# KiCad board m-blanc.kicad_pcb (continued)
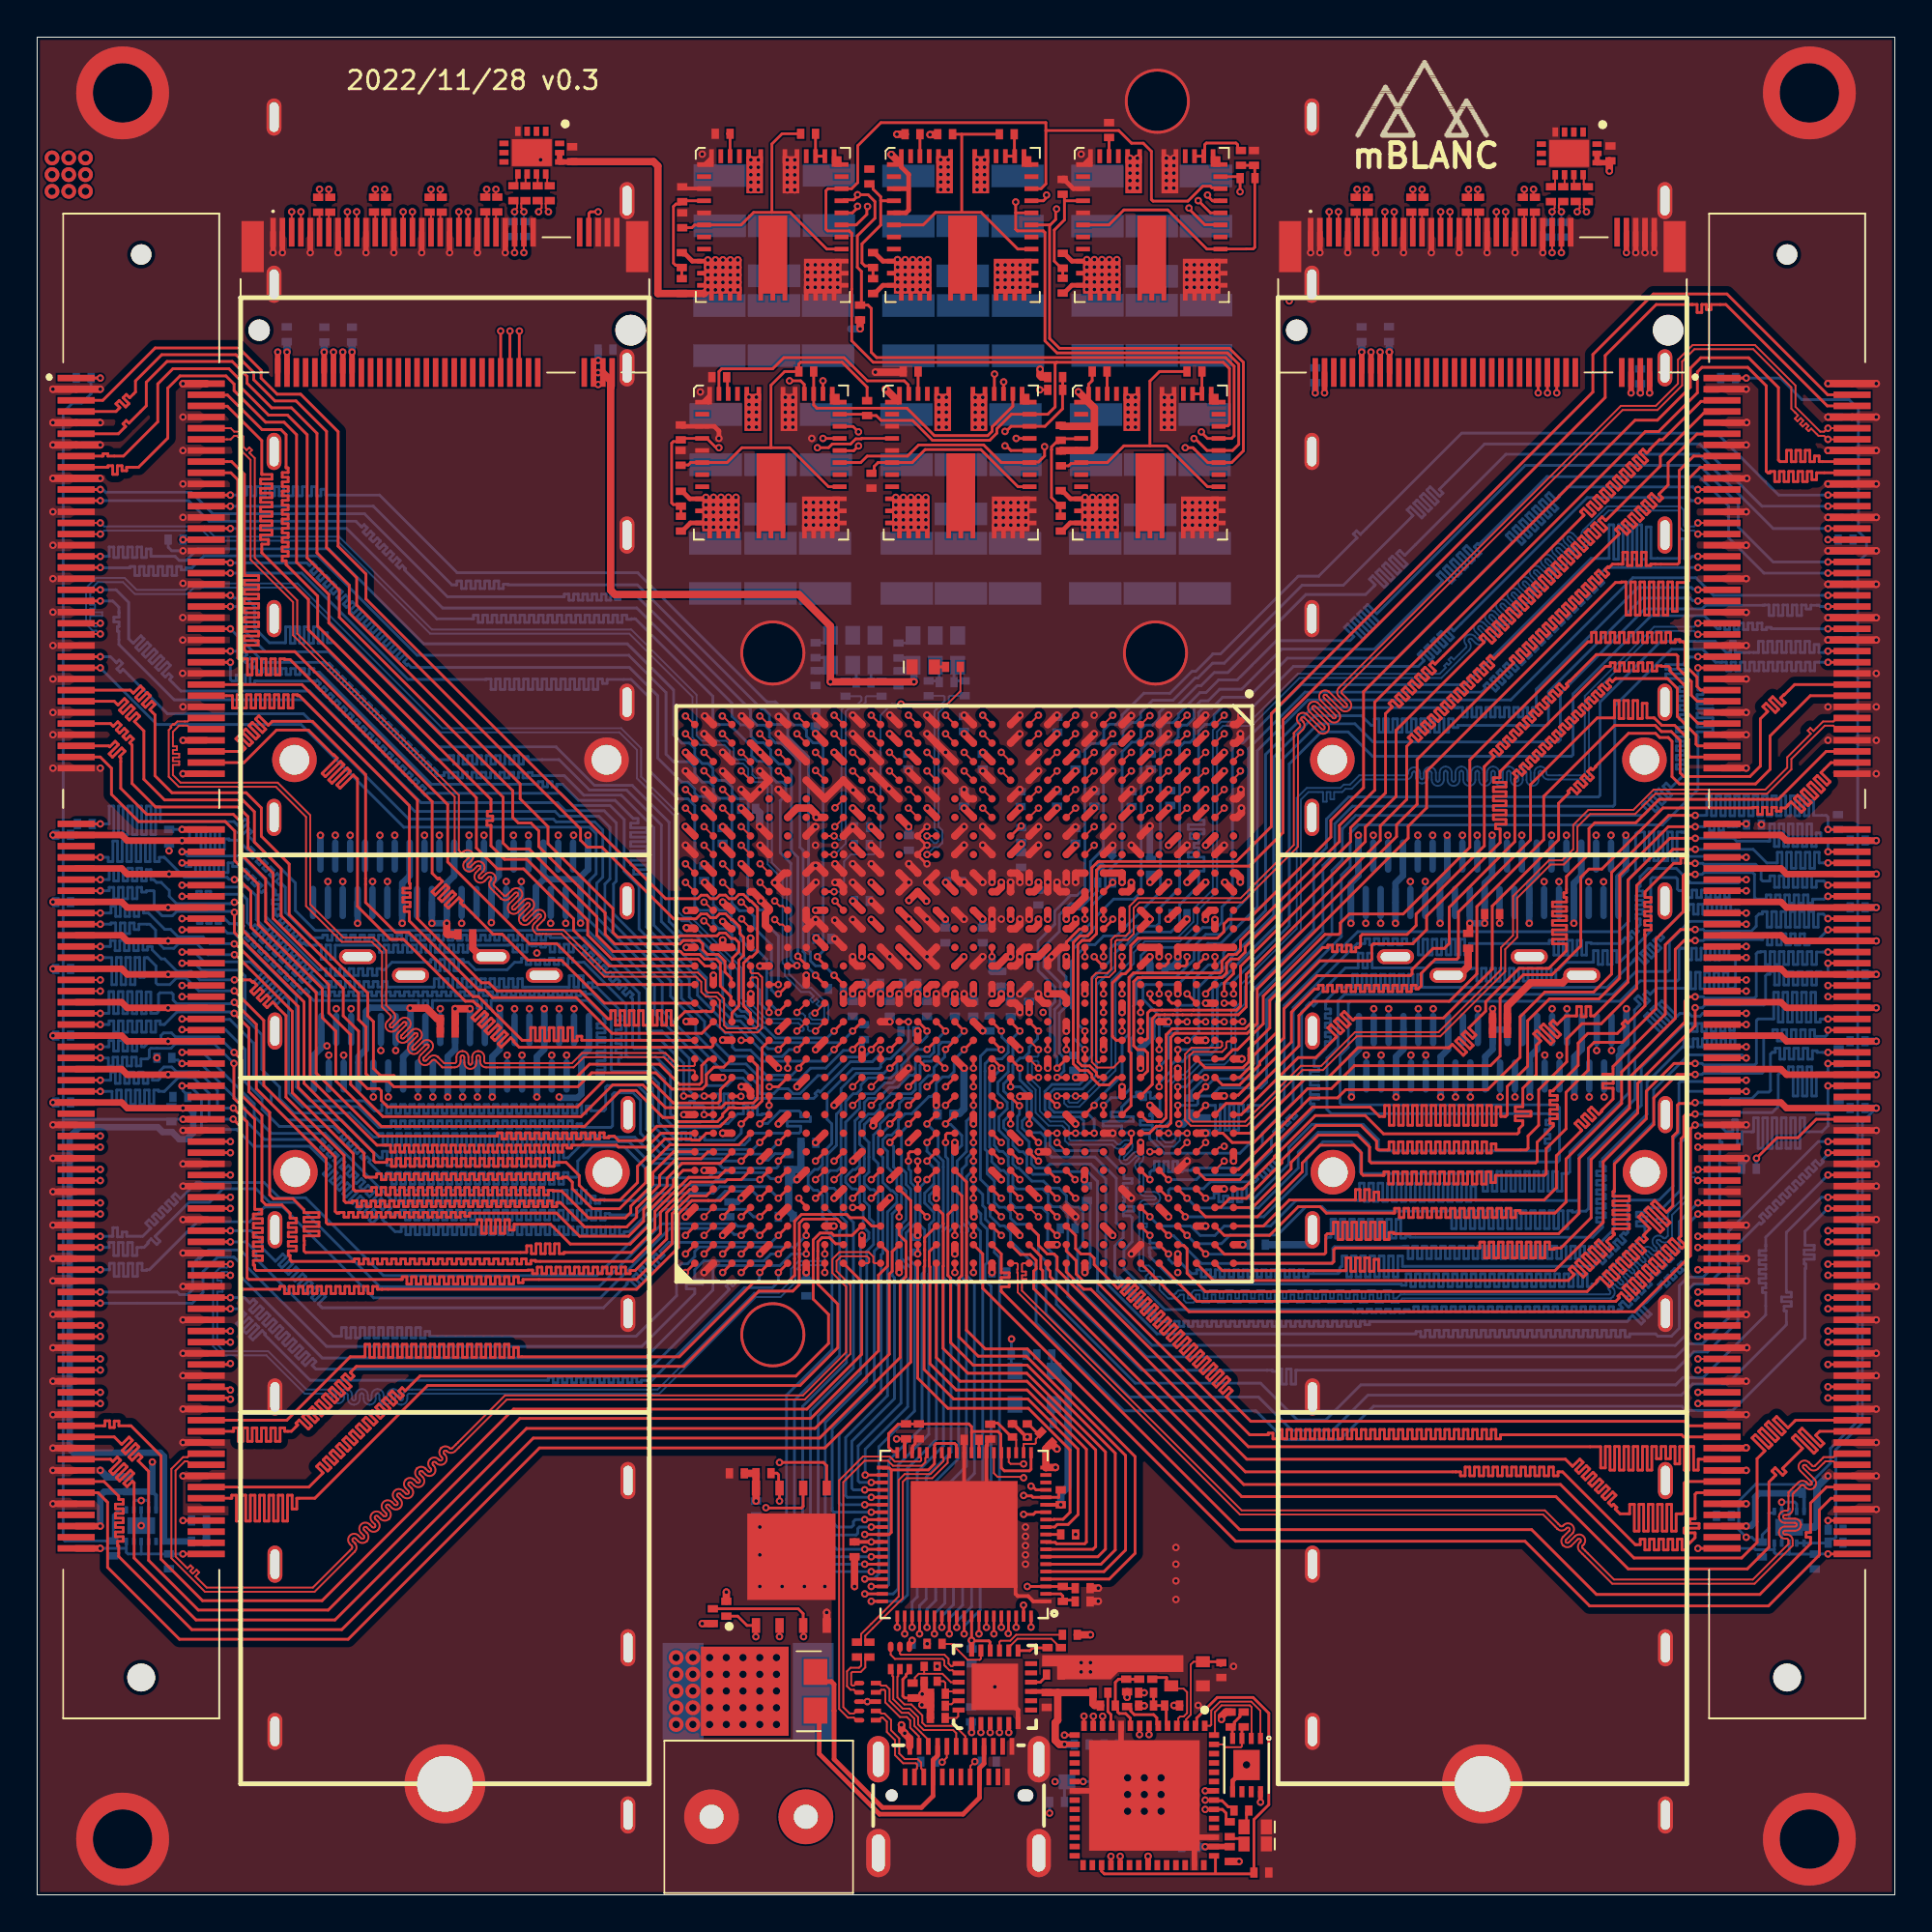
[diagram p0: board, top side]
## Routing (per net, layer and track width the routed paths; a pad name or vN(x,y) marks a point on that pad's centre or on a via; arc(x,y) is an arc through that point) (continued)
DRAM2_A5: length 73.9
  Top Layer w0.15: v1(92,52.25) 91.82,52.25 DIMM2.91 ; U1.C26 v1(62.9,37.5)
  Bottom Layer w0.15: v1(62.9,37.5) 63.35,37.5 63.35,37.77 63.6,37.77 63.6,37.31 63.85,37.31 63.85,37.62 64.1,37.62 64.1,37.31 64.35,37.31 64.35,38.03 64.6,38.03 64.6,37.31 64.85,37.31 64.85,38.03 65.1,38.03 65.1,37.5 65.53,37.5 67.38,39.35 67.38,40.23 68.62,41.48 71.38,41.48 72.2,40.65 72.2,40.14 72.29,40.05 81.34,40.05 81.43,40.14 81.43,40.45 81.17,40.45 81.17,40.7 81.44,40.7 81.44,40.95 81.17,40.95 81.17,41.2 81.44,41.2 81.44,41.45 81.22,41.45 81.22,41.7 81.43,41.7 81.43,41.96 81.34,42.05 69.66,42.05 69.43,42.28 69.43,45.04 70.02,45.64 70.02,48.12 70.38,48.47 84.84,48.47 86.06,49.7 87.78,49.7 87.87,49.79 87.87,51.32 88.95,52.4 91.6,52.4 91.75,52.25 v1(92,52.25)
DRAM2_A6: length 63.7
  Top Layer w0.15: v1(96.4,52.55) DIMM2.90 ; v1(89.25,51.96) 88.46,51.96 87.64,51.14 87.64,47.4 84.83,44.59 84.83,44.18 84.28,44.18 84.28,43.93 84.84,43.93 84.84,43.68 84.28,43.68 84.28,43.43 84.83,43.43 84.83,42.84 84.21,42.22 84.24,42.19 84.06,42.01 83.67,42.41 83.49,42.23 83.89,41.83 83.71,41.66 83.31,42.05 83.14,41.88 83.53,41.48 83.36,41.3 82.96,41.7 82.78,41.52 83.15,41.16 81.78,39.79 81.78,38.06 81.12,37.4 72.22,37.4 72.22,37.83 71.97,37.83 71.97,37.39 71.72,37.39 71.72,37.96 71.47,37.96 71.47,37.39 71.22,37.39 71.22,37.96 70.97,37.96 70.97,37.4 67.41,37.4 66,36 U1.A28
  Bottom Layer w0.15: v1(89.25,51.96) 89.68,51.96 89.77,51.87 92.27,51.87 92.54,52.14 92.54,52.65 92.68,52.8 92.87,52.8 92.87,52.93 93.12,52.93 93.12,52.09 93.37,52.09 93.37,52.93 93.62,52.93 93.62,52.09 93.87,52.09 93.87,52.93 94.12,52.93 94.12,52.09 94.37,52.09 94.37,52.93 94.62,52.93 94.62,52.09 94.87,52.09 94.87,52.93 95.12,52.93 95.12,52.09 95.37,52.09 95.37,52.93 95.62,52.93 95.62,52.09 95.87,52.09 95.87,52.8 96.15,52.8 v1(96.4,52.55)
DRAM2_A7: length 72.9
  Top Layer w0.15: v1(96.4,53.75) DIMM2.86 ; v1(89.25,54.93) 88.69,54.93 88.6,54.84 88.6,52.91 87.14,51.45 87.14,47.7 85.33,45.89 83.81,45.89 83.5,45.58 83.5,44.4 82.3,43.2 82.3,41.24 81.23,40.17 81.23,38.82 81.14,38.73 78.5,38.73 78.5,38.34 78.25,38.34 78.25,38.92 78,38.92 78,38.26 77.75,38.26 77.75,38.92 77.5,38.92 77.5,38.26 77.25,38.26 77.25,38.92 77,38.92 77,38.26 76.75,38.26 76.75,38.92 76.5,38.92 76.5,38.26 76.25,38.26 76.25,38.92 76,38.92 76,38.26 75.75,38.26 75.75,38.92 75.5,38.92 75.5,38.26 75.25,38.26 75.25,38.92 75,38.92 75,38.26 74.75,38.26 74.75,38.92 74.5,38.92 74.5,38.26 74.25,38.26 74.25,38.92 74,38.92 74,38.26 73.75,38.26 73.75,38.92 73.5,38.92 73.5,38.26 73.25,38.26 73.25,38.92 73,38.92 73,38.26 72.75,38.26 72.75,38.92 72.5,38.92 72.5,38.73 71.38,38.73 71.29,38.82 71.29,39.94 70.87,40.35 69.06,40.35 68.1,39.39 68.1,38.92 65.68,36.5 62.9,36.5 U1.C27
  Bottom Layer w0.15: v1(89.25,54.93) 89.63,54.93 89.72,55.02 92.36,55.02 92.44,54.94 92.44,53.69 92.53,53.6 93.08,53.6 93.08,53.83 93.33,53.83 93.33,53.38 93.58,53.38 93.58,53.83 93.83,53.83 93.83,53.38 94.08,53.38 94.08,53.83 94.33,53.83 94.33,53.38 94.58,53.38 94.58,53.83 94.83,53.83 94.83,53.38 95.08,53.38 95.08,53.83 95.33,53.83 95.33,53.38 95.58,53.38 95.58,53.6 96.19,53.6 96.34,53.75 v1(96.4,53.75)
DRAM2_A8: length 72.4
  Top Layer w0.15: DIMM2.89 v1(92,52.85) ; U1.E26 v1(60.9,37.5)
  Bottom Layer w0.15: v1(60.9,37.5) 60.9,37.93 60.99,38.01 62.79,38.01 63.16,38.38 65.57,38.38 65.72,38.53 65.61,38.64 65.78,38.82 66.04,38.56 66.21,38.74 65.96,39 66.14,39.17 66.39,38.92 66.57,39.09 66.31,39.35 66.49,39.53 66.74,39.27 66.92,39.45 66.78,39.59 66.91,39.72 66.91,40.5 68.74,42.33 68.74,42.58 68.54,42.58 68.54,42.83 68.99,42.83 68.99,43.08 68.54,43.08 68.54,43.33 68.99,43.33 68.99,43.58 68.54,43.58 68.54,43.83 68.99,43.83 68.99,44.08 68.54,44.08 68.54,44.33 68.99,44.33 68.99,44.58 68.74,44.58 68.74,44.92 69.37,45.55 69.37,45.68 69.34,45.68 69.34,45.93 69.62,45.93 69.62,46.18 69.34,46.18 69.34,46.43 69.62,46.43 69.62,46.68 69.34,46.68 69.34,46.93 69.62,46.93 69.62,47.18 69.34,47.18 69.34,47.43 69.62,47.43 69.62,47.68 69.35,47.68 69.35,47.93 69.37,47.93 69.37,48.13 70.09,48.85 70.81,48.85 70.81,49.55 71.06,49.55 71.06,48.8 71.31,48.8 71.31,49.55 71.56,49.55 71.56,48.8 71.81,48.8 71.81,49.55 72.06,49.55 72.06,48.8 72.31,48.8 72.31,49.55 72.56,49.55 72.56,48.8 72.81,48.8 72.81,49.55 73.06,49.55 73.06,48.8 73.31,48.8 73.31,49.55 73.56,49.55 73.56,48.8 73.81,48.8 73.81,49.55 74.06,49.55 74.06,48.8 74.31,48.8 74.31,49.55 74.56,49.55 74.56,48.85 84.51,48.85 85.96,50.3 85.94,50.32 86.12,50.5 86.54,50.08 86.72,50.26 86.3,50.68 86.47,50.85 86.9,50.43 87.07,50.61 86.65,51.03 86.83,51.21 87.25,50.79 87.43,50.96 87,51.38 87.18,51.56 87.38,51.36 87.56,51.53 87.38,51.72 88.66,53 88.91,53 88.91,53.32 89.16,53.32 89.16,52.79 89.41,52.79 89.41,53.32 89.66,53.32 89.66,52.79 89.91,52.79 89.91,53.32 90.16,53.32 90.16,52.79 90.41,52.79 90.41,53.32 90.66,53.32 90.66,52.79 90.91,52.79 90.91,53.32 91.16,53.32 91.16,52.98 91.41,52.98 91.41,53 91.58,53 91.71,52.86 91.99,52.86 v1(92,52.85)
DRAM2_A9: length 72.1
  Top Layer w0.15: DIMM2.85 v1(92,54.05) ; U1.E25 v1(60.9,38.5)
  Bottom Layer w0.15: v1(60.9,38.5) 62.4,38.5 62.65,38.75 65.16,38.75 66.44,40.03 66.44,40.79 66.64,40.99 66.54,41.08 66.72,41.26 66.93,41.05 67.1,41.23 66.9,41.43 67.07,41.61 67.28,41.4 67.46,41.58 67.25,41.79 67.43,41.96 67.63,41.76 67.81,41.93 67.69,42.06 67.86,42.24 67.87,42.23 68.08,42.43 68.08,47.55 68.36,47.83 68.33,47.86 68.51,48.04 68.7,47.84 68.88,48.02 68.71,48.19 70.42,49.9 71.11,49.9 71.11,50.69 71.36,50.69 71.36,49.89 71.61,49.89 71.61,50.69 71.86,50.69 71.86,49.9 74.76,49.9 75.06,50.2 76.8,50.2 77.16,49.84 77.25,49.84 77.25,49.88 77.5,49.88 77.5,49.19 77.75,49.19 77.75,49.88 78,49.88 78,49.19 78.25,49.19 78.25,49.88 78.5,49.88 78.5,49.19 78.75,49.19 78.75,49.88 79,49.88 79,49.19 79.25,49.19 79.25,49.88 79.5,49.88 79.5,49.19 79.75,49.19 79.75,49.88 80,49.88 80,49.19 80.25,49.19 80.25,49.88 80.5,49.88 80.5,49.19 80.75,49.19 80.75,49.88 81,49.88 81,49.19 81.25,49.19 81.25,49.88 81.5,49.88 81.5,49.19 81.75,49.19 81.75,49.8 81.9,49.8 82.3,50.2 83.78,50.2 83.78,50.83 84.03,50.83 84.03,50.08 84.28,50.08 84.28,50.83 84.53,50.83 84.53,50.08 84.78,50.08 84.78,50.83 85.03,50.83 85.03,50.2 85.18,50.2 86.86,51.88 86.86,54.67 86.95,54.76 88.21,54.76 88.3,54.67 88.3,54.14 88.39,54.05 88.58,54.05 88.58,54.08 88.83,54.08 88.83,53.68 89.08,53.68 89.08,54.08 89.33,54.08 89.33,53.68 89.58,53.68 89.58,54.08 89.83,54.08 89.83,53.68 90.08,53.68 90.08,54.08 90.33,54.08 90.33,53.68 90.58,53.68 90.58,54.08 90.83,54.08 90.83,53.68 91.08,53.68 91.08,54.08 91.33,54.08 91.33,54.05 v1(92,54.05)
DRAM2_A10: length 74.6
  Top Layer w0.15: v1(92,47.45) 91.82,47.45 DIMM2.107 ; U1.F27 v1(59.9,36.5)
  Bottom Layer w0.15: v1(59.9,36.5) 60.4,36 62.1,36 62.61,35.49 63.39,35.49 63.9,36 66.39,36 67.77,37.38 71.18,37.38 71.18,38.31 71.43,38.31 71.43,37.33 71.68,37.33 71.68,38.31 71.93,38.31 71.93,37.33 72.18,37.33 72.18,38.31 72.43,38.31 72.43,37.33 72.68,37.33 72.68,38.31 72.93,38.31 72.93,37.33 73.18,37.33 73.18,38.31 73.43,38.31 73.43,37.33 73.68,37.33 73.68,38.31 73.93,38.31 73.93,37.33 74.18,37.33 74.18,38.31 74.43,38.31 74.43,37.33 74.68,37.33 74.68,38.31 74.93,38.31 74.93,37.33 75.18,37.33 75.18,38.31 75.43,38.31 75.43,37.33 75.68,37.33 75.68,38.31 75.93,38.31 75.93,37.33 76.18,37.33 76.18,38.31 76.43,38.31 76.43,37.33 76.68,37.33 76.68,38.31 76.93,38.31 76.93,37.33 77.18,37.33 77.18,38.15 77.43,38.15 77.43,37.38 82.91,37.38 83,37.46 83,39.82 86.01,42.83 86.01,45.03 87.35,46.36 87.4,46.42 86.52,47.3 86.69,47.48 87.58,46.58 87.76,46.76 86.87,47.65 87.05,47.83 87.94,46.94 88.11,47.12 87.28,47.95 87.46,48.12 88.28,47.3 88.43,47.44 88.93,47.44 89.07,47.3 89.51,47.3 89.66,47.45 v1(92,47.45)
DRAM2_A11: length 62.3
  Top Layer w0.15: v1(89.25,55.53) 88.73,55.53 88.73,55.83 88.48,55.83 88.48,55.53 88.09,55.53 86.55,53.99 86.55,53.69 86.88,53.69 86.88,53.44 86.54,53.44 86.54,53.19 86.88,53.19 86.88,52.94 86.54,52.94 86.54,52.69 86.88,52.69 86.88,52.44 86.54,52.44 86.54,52.19 86.88,52.19 86.88,51.94 86.54,51.94 86.54,51.69 86.55,51.69 86.55,47.86 85.62,46.93 85.49,47.06 85.31,46.89 85.45,46.75 85.06,46.37 83.47,46.37 82.95,45.85 82.95,44.65 81.66,43.36 81.61,43.31 81.61,43.28 81.43,43.28 81.43,43.03 81.83,43.03 81.83,42.78 81.43,42.78 81.43,42.53 81.83,42.53 81.83,42.28 81.43,42.28 81.43,42.03 81.83,42.03 81.83,41.78 81.43,41.78 81.43,41.53 81.61,41.53 81.61,41.38 80.75,40.52 80.75,39.49 80.66,39.4 71.81,39.4 71.73,39.49 71.73,40.25 71.08,40.9 68.96,40.9 67.5,39.43 67.5,39.08 65.42,37 U1.A27 ; v1(96.4,54.35) DIMM2.84
  Bottom Layer w0.15: v1(96.4,54.35) 96.18,54.57 95.78,54.57 95.78,54.24 95.53,54.24 95.53,54.85 95.28,54.85 95.28,54.24 95.03,54.24 95.03,54.85 94.78,54.85 94.78,54.24 94.53,54.24 94.53,54.85 94.28,54.85 94.28,54.24 94.03,54.24 94.03,54.85 93.78,54.85 93.78,54.24 93.53,54.24 93.53,54.85 93.28,54.85 93.28,54.57 92.89,54.57 92.8,54.66 92.8,55.18 92.5,55.47 89.71,55.47 89.66,55.53 v1(89.25,55.53)
DRAM2_A12: length 73.1
  Top Layer w0.15: v1(92,54.65) 91.82,54.65 DIMM2.83 ; U1.F25 v1(59.9,38.5)
  Bottom Layer w0.15: v1(59.9,38.5) 59.9,38.89 60.01,39 60.14,39 60.14,39.48 60.39,39.48 60.39,38.92 60.64,38.92 60.64,39.48 60.89,39.48 60.89,38.92 61.14,38.92 61.14,39.48 61.39,39.48 61.39,38.92 61.64,38.92 61.64,39 62.13,39 62.25,39.12 64.71,39.12 65.96,40.37 65.96,41.01 67.61,42.67 67.61,47.77 71.06,51.21 71.48,51.21 71.48,51.47 71.73,51.47 71.73,51.14 71.98,51.14 71.98,51.47 72.23,51.47 72.23,51.14 72.48,51.14 72.48,51.47 72.73,51.47 72.73,51.14 72.98,51.14 72.98,51.47 73.23,51.47 73.23,51.14 73.48,51.14 73.48,51.47 73.73,51.47 73.73,51.21 74.1,51.21 74.1,51.44 74.35,51.44 74.35,50.6 74.6,50.6 74.6,51.44 74.85,51.44 74.85,50.6 75.1,50.6 75.1,51.44 75.35,51.44 75.35,50.6 75.6,50.6 75.6,51.44 75.85,51.44 75.85,50.6 76.1,50.6 76.1,51.44 76.35,51.44 76.35,50.6 76.6,50.6 76.6,51.44 76.85,51.44 76.85,50.6 77.1,50.6 77.1,51.21 81.4,51.21 81.4,51.38 81.65,51.38 81.65,50.59 81.9,50.59 81.9,51.38 82.15,51.38 82.15,50.59 82.4,50.59 82.4,51.38 82.65,51.38 82.65,50.59 82.9,50.59 82.9,51.38 83.15,51.38 83.15,50.59 83.4,50.59 83.4,51.26 83.65,51.26 83.65,51.21 85.28,51.21 85.37,51.3 85.32,51.35 85.49,51.53 85.68,51.34 85.86,51.52 85.67,51.71 85.85,51.88 86.03,51.69 86.21,51.87 86.08,52.01 86.29,52.22 86.29,52.54 86.07,52.54 86.07,52.79 86.44,52.79 86.44,53.04 86.07,53.04 86.07,53.29 86.44,53.29 86.44,53.54 86.07,53.54 86.07,53.79 86.44,53.79 86.44,54.04 86.2,54.04 86.2,54.29 86.29,54.29 86.29,54.81 86.74,55.25 88.24,55.25 89.02,54.47 91.57,54.47 91.72,54.62 91.97,54.62 v1(92,54.65)
DRAM2_A13: length 69.8
  Top Layer w0.15: U1.E29 v1(60.9,34.5) ; v1(92,43.85) DIMM2.119
  Bottom Layer w0.15: v1(92,43.85) 91.69,43.85 91.63,43.79 88.46,43.79 88.38,43.7 88.38,41.02 88.06,40.7 88.06,38.15 87.31,37.4 85.71,37.4 85.62,37.31 85.62,35.65 85.51,35.54 85.4,35.65 85.23,35.48 85.51,35.19 85.33,35.02 85.05,35.3 84.87,35.12 85.15,34.84 84.98,34.66 84.69,34.95 84.52,34.77 84.8,34.49 84.62,34.31 84.34,34.59 84.16,34.42 84.45,34.13 84.27,33.96 83.99,34.24 83.81,34.06 83.92,33.95 83.8,33.83 73.5,33.83 73.5,34.39 73.25,34.39 73.25,33.26 73,33.26 73,34.39 72.75,34.39 72.75,33.26 72.5,33.26 72.5,34.39 72.25,34.39 72.25,33.26 72,33.26 72,34.39 71.75,34.39 71.75,33.26 71.5,33.26 71.5,34.39 71.25,34.39 71.25,33.26 71,33.26 71,34.39 70.75,34.39 70.75,33.26 70.5,33.26 70.5,34.39 70.25,34.39 70.25,33.83 70.21,33.83 70.12,33.74 70.12,33.53 70.03,33.44 68.42,33.44 68.42,33.27 68.17,33.27 68.17,33.65 67.92,33.65 67.92,33.26 67.67,33.26 67.67,33.65 67.42,33.65 67.42,33.26 67.17,33.26 67.17,33.65 66.92,33.65 66.92,33.26 66.67,33.26 66.67,33.65 66.42,33.65 66.42,33.26 66.17,33.26 66.17,33.65 65.92,33.65 65.92,33.26 65.67,33.26 65.67,33.65 65.42,33.65 65.42,33.26 65.17,33.26 65.17,33.65 64.92,33.65 64.92,33.26 64.67,33.26 64.67,33.65 64.42,33.65 64.42,33.26 64.17,33.26 64.17,33.65 63.92,33.65 63.92,33.26 63.67,33.26 63.67,33.65 63.42,33.65 63.42,33.26 63.17,33.26 63.17,33.65 62.92,33.65 62.92,33.26 62.67,33.26 62.67,33.65 62.42,33.65 62.42,33.44 62.14,33.44 61.58,34 61.12,34 60.91,34.21 60.91,34.49 v1(60.9,34.5)
DRAM2_A14: length 71.4
  Top Layer w0.15: v1(89.26,56.28) 88.05,56.28 86.1,54.33 86.1,48.8 84.19,46.89 83.16,46.89 82.34,46.07 82.34,44.84 80.83,43.33 80.83,41.43 80.26,40.86 80.26,40.19 80.17,40.1 78.53,40.1 78.53,40.43 78.28,40.43 78.28,39.94 78.03,39.94 78.03,40.54 77.78,40.54 77.78,39.94 77.53,39.94 77.53,40.54 77.28,40.54 77.28,39.94 77.03,39.94 77.03,40.54 76.78,40.54 76.78,39.94 76.53,39.94 76.53,40.54 76.28,40.54 76.28,39.94 76.03,39.94 76.03,40.54 75.78,40.54 75.78,39.94 75.53,39.94 75.53,40.54 75.28,40.54 75.28,39.94 75.03,39.94 75.03,40.54 74.78,40.54 74.78,39.94 74.53,39.94 74.53,40.54 74.28,40.54 74.28,39.94 74.03,39.94 74.03,40.54 73.78,40.54 73.78,39.94 73.53,39.94 73.53,40.54 73.28,40.54 73.28,39.94 73.03,39.94 73.03,40.54 72.78,40.54 72.78,40.1 72.19,40.1 72.1,40.19 72.1,40.57 71.26,41.41 68.86,41.41 67,39.56 67,39.4 65.1,37.49 64.2,37.49 63.72,37.01 63.41,37.01 U1.B27 ; v1(96.4,55.55) DIMM2.80
  Bottom Layer w0.15: v1(89.26,56.28) 92.37,56.28 93.1,55.55 93.68,55.55 93.68,56.12 93.93,56.12 93.93,55.26 94.18,55.26 94.18,56.12 94.43,56.12 94.43,55.26 94.68,55.26 94.68,56.12 94.93,56.12 94.93,55.26 95.18,55.26 95.18,56.12 95.43,56.12 95.43,55.26 95.68,55.26 95.68,56.12 95.93,56.12 95.93,55.55 v1(96.4,55.55)
DRAM2_A15: length 70.5
  Top Layer w0.15: v1(89.26,56.87) 87.89,56.87 85.63,54.62 85.63,49.13 83.81,47.31 83.63,47.31 83.63,47.82 83.38,47.82 83.38,47.27 83.13,47.27 83.13,47.82 82.88,47.82 82.88,47.31 82.28,47.31 81.82,46.85 81.6,47.07 81.43,46.89 82.01,46.31 81.83,46.14 81.09,46.88 80.91,46.7 81.65,45.96 81.48,45.78 80.73,46.53 80.56,46.35 80.94,45.97 80.7,45.73 80.7,44.14 79.98,43.42 79.98,42.42 79.57,42.42 79.57,42.17 80.41,42.17 80.41,41.92 79.57,41.92 79.57,41.67 79.98,41.67 79.98,41.44 79.77,41.24 79.77,41.05 79.68,40.97 72.47,40.97 71.49,41.95 68.8,41.95 66.6,39.75 66.6,39.68 64.92,38 U1.A26 ; v1(96.4,56.15) DIMM2.78
  Bottom Layer w0.15: v1(96.4,56.15) 96.4,56.63 96.31,56.72 96.02,56.72 96.02,57.16 95.77,57.16 95.77,56.43 95.52,56.43 95.52,57.65 95.27,57.65 95.27,56.43 95.02,56.43 95.02,57.65 94.77,57.65 94.77,56.43 94.52,56.43 94.52,57.65 94.27,57.65 94.27,56.43 94.02,56.43 94.02,57.65 93.77,57.65 93.77,56.43 93.52,56.43 93.52,57.65 93.27,57.65 93.27,56.72 91.48,56.72 91.33,56.87 v1(89.26,56.87)
DRAM2_BA0: length 69.7
  Top Layer w0.15: v1(92,46.85) DIMM2.109 ; U1.D28 v1(61.9,35.5)
  Bottom Layer w0.15: v1(92,46.85) 91.36,46.85 91.36,46.52 91.11,46.52 91.11,46.91 90.86,46.91 90.86,46.47 90.61,46.47 90.61,46.91 90.36,46.91 90.36,46.47 90.11,46.47 90.11,46.91 89.86,46.91 89.86,46.47 89.61,46.47 89.61,46.91 89.36,46.91 89.36,46.47 89.11,46.47 89.11,46.91 88.86,46.91 88.86,46.85 88.66,46.85 86.35,44.54 86.35,42.49 83.51,39.65 83.51,36.94 83.37,36.8 82.89,36.8 82.89,36.75 82.64,36.75 82.64,36.83 82.39,36.83 82.39,35.86 82.14,35.86 82.14,36.83 81.89,36.83 81.89,35.86 81.64,35.86 81.64,36.83 81.39,36.83 81.39,35.86 81.14,35.86 81.14,36.83 80.89,36.83 80.89,35.86 80.64,35.86 80.64,36.83 80.39,36.83 80.39,35.86 80.14,35.86 80.14,36.83 79.89,36.83 79.89,35.86 79.64,35.86 79.64,36.83 79.39,36.83 79.39,35.86 79.14,35.86 79.14,36.83 78.89,36.83 78.89,35.86 78.64,35.86 78.64,36.83 78.39,36.83 78.39,35.86 78.14,35.86 78.14,36.83 77.89,36.83 77.89,35.86 77.64,35.86 77.64,36.83 77.39,36.83 77.39,35.86 77.14,35.86 77.14,36.83 76.89,36.83 76.89,35.86 76.64,35.86 76.64,36.83 76.39,36.83 76.39,35.86 76.14,35.86 76.14,36.83 75.89,36.83 75.89,36.8 69.41,36.8 69.16,37.05 68.3,37.05 66.77,35.52 64.22,35.52 63.75,35.05 62.35,35.05 v1(61.9,35.5)
DRAM2_BA1: length 65.9
  Top Layer w0.15: U1.B30 63.8,33.6 70.46,33.6 70.46,34.29 70.71,34.29 70.71,33.57 70.96,33.57 70.96,34.29 71.21,34.29 71.21,33.57 71.46,33.57 71.46,34.29 71.71,34.29 71.71,33.57 71.96,33.57 71.96,34.21 72.21,34.21 72.21,33.6 81.7,33.6 84.3,36.2 84.3,39.46 86.62,41.78 86.62,43.26 88.11,44.75 v1(89.25,44.75) ; v1(96.4,47.15) DIMM2.108
  Bottom Layer w0.15: v1(96.4,47.15) 95.98,47.15 95.98,46.98 95.73,46.98 95.73,48.59 95.48,48.59 95.48,46.98 95.23,46.98 95.23,48.59 94.98,48.59 94.98,46.98 94.73,46.98 94.73,48.59 94.48,48.59 94.48,46.98 94.23,46.98 94.23,48.59 93.98,48.59 93.98,46.98 93.73,46.98 93.73,48.59 93.48,48.59 93.48,47.15 92.64,47.15 92.55,47.06 92.55,44.76 92.46,44.68 89.7,44.68 89.62,44.75 v1(89.25,44.75)
DRAM2_BA2: length 76.6
  Top Layer w0.15: v1(92,55.85) 91.82,55.85 DIMM2.79 ; U1.G24 58.9,40.5 v1(58.9,41)
  Bottom Layer w0.15: v1(92,55.85) 91.95,55.9 91.79,55.9 91.79,55.9 88.86,55.9 88.78,55.99 88.78,57.11 88.69,57.2 88.52,57.2 88.52,57.21 88.27,57.21 88.27,55.67 88.02,55.67 88.02,57.21 87.77,57.21 87.77,55.67 87.52,55.67 87.52,57.21 87.27,57.21 87.27,55.67 87.02,55.67 87.02,57.21 86.77,57.21 86.77,55.67 86.52,55.67 86.52,57.21 86.27,57.21 86.27,57.2 86.13,57.2 86.04,57.11 86.04,55.06 85.68,54.69 85.68,52.41 85.12,51.85 71.1,51.85 67.13,47.88 67.13,42.88 65.47,41.21 65.47,40.65 64.74,39.92 60.66,39.92 59.88,40.7 59.88,40.94 59.49,40.94 59.49,41.19 60.03,41.19 60.03,41.44 59.38,41.44 59.38,41.69 60.03,41.69 60.03,41.94 59.88,41.94 59.88,42 59.97,42.09 60.35,42.09 60.44,42.18 60.44,42.88 60.35,42.96 60.17,42.96 60.17,42.88 59.92,42.88 59.92,43.21 59.67,43.21 59.67,42.8 59.42,42.8 59.42,43.21 59.17,43.21 59.17,42.96 58.94,42.96 58.38,42.41 58.38,42.14 57.82,42.14 57.82,41.89 59.01,41.89 59.01,41.64 57.37,41.64 57.37,41.39 58.38,41.39 58.38,41.11 58.47,41.03 58.88,41.03 v1(58.9,41)
DRAM2_CAS#: length 68.3
  Top Layer w0.15: DIMM2.115 v1(92,45.05) ; U1.E28 v1(60.9,35.5)
  Bottom Layer w0.15: v1(60.9,35.5) 60.92,35.48 61.18,35.48 62.67,33.98 69.66,33.98 69.75,34.07 69.75,34.8 69.84,34.89 73.55,34.89 73.55,34.92 73.8,34.92 73.8,34.25 74.05,34.25 74.05,34.92 74.3,34.92 74.3,34.25 74.55,34.25 74.55,34.92 74.8,34.92 74.8,34.25 75.05,34.25 75.05,34.92 75.3,34.92 75.3,34.25 75.55,34.25 75.55,34.92 75.8,34.92 75.8,34.25 76.05,34.25 76.05,34.92 76.3,34.92 76.3,34.25 76.55,34.25 76.55,34.92 76.8,34.92 76.8,34.25 77.05,34.25 77.05,34.92 77.3,34.92 77.3,34.25 77.55,34.25 77.55,34.92 77.8,34.92 77.8,34.25 78.05,34.25 78.05,34.92 78.3,34.92 78.3,34.25 78.55,34.25 78.55,34.92 78.8,34.92 78.8,34.25 79.05,34.25 79.05,34.92 79.3,34.92 79.3,34.25 79.55,34.25 79.55,34.92 79.8,34.92 79.8,34.25 80.05,34.25 80.05,34.92 80.3,34.92 80.3,34.25 80.55,34.25 80.55,34.92 80.8,34.92 80.8,34.25 81.05,34.25 81.05,34.92 81.3,34.92 81.3,34.25 81.55,34.25 81.55,34.92 81.8,34.92 81.8,34.25 82.05,34.25 82.05,34.92 82.3,34.92 82.3,34.25 82.55,34.25 82.55,34.92 82.8,34.92 82.8,34.25 83.05,34.25 83.05,34.92 83.3,34.92 83.3,34.54 83.55,34.54 83.55,34.89 83.93,34.89 84.9,35.85 84.9,39.47 87.02,41.59 87.02,43.33 88.9,45.22 91.77,45.22 91.93,45.05 v1(92,45.05)
DRAM2_CK0_N: length 65.2
  Top Layer w0.1: DIMM2.103 v1(92,48.65) ; U1.C24 v1(62.9,40.5)
  InLayer2 (Signal) w0.1: v1(62.9,40.5) 62.51,40.5 62.51,41.3 62.7,41.49 62.73,41.46 62.87,41.6 62.84,41.63 62.94,41.72 75.1,41.72 75.52,41.31 75.77,41.31 arc(76,41.4) 76.09,41.63 arc(76.19,41.73) 76.29,41.63 76.29,41.37 arc(76.62,41.04) 76.94,41.37 76.94,41.63 arc(77.04,41.73) 77.14,41.63 77.14,41.37 arc(77.47,41.04) 77.79,41.37 77.79,41.63 arc(77.89,41.73) 77.99,41.63 77.99,41.37 arc(78.32,41.04) 78.64,41.37 78.64,41.63 arc(78.74,41.73) 78.84,41.63 78.84,41.37 arc(79.17,41.04) 79.49,41.37 79.49,41.63 arc(79.59,41.73) 79.69,41.63 79.69,41.37 arc(80.02,41.04) 80.34,41.37 80.34,41.63 arc(80.44,41.73) 80.54,41.63 80.54,41.37 arc(80.87,41.04) 81.19,41.37 81.19,41.63 arc(81.29,41.73) 81.39,41.63 81.39,41.37 arc(81.72,41.04) 82.04,41.37 82.04,41.63 arc(82.14,41.73) 82.24,41.63 82.24,41.37 arc(82.57,41.04) 82.89,41.37 82.89,41.63 arc(82.99,41.73) 83.09,41.63 83.09,41.37 arc(83.42,41.04) 83.74,41.37 83.74,41.63 arc(83.84,41.73) 83.94,41.63 83.94,41.37 arc(84.27,41.04) 84.59,41.37 84.59,41.63 arc(84.69,41.73) 84.79,41.63 arc(84.89,41.4) 85.12,41.31 85.46,41.31 85.94,41.79 85.94,46.84 86,46.9 86.09,46.9 arc(86.32,47) 86.41,47.23 86.41,48.88 arc(86.51,48.98) 86.61,48.88 86.61,47.2 arc(86.94,46.88) 87.26,47.2 87.26,48.88 arc(87.36,48.98) 87.46,48.88 87.46,47.2 arc(87.79,46.88) 88.11,47.2 88.11,48.77 arc(88.21,48.87) 88.31,48.77 88.31,47.23 arc(88.41,47) 88.64,46.9 89.58,46.9 arc(89.81,47) 89.91,47.23 89.91,48.48 arc(89.94,48.55) 90.01,48.58 arc(90.08,48.55) 90.11,48.48 90.11,47.23 arc(90.21,47) 90.43,46.9 91.33,46.9 91.52,47.09 91.52,48.78 91.58,48.84 91.81,48.84 v1(92,48.65)
DRAM2_CK0_P: length 66.5
  Top Layer w0.1: U1.D24 v1(61.9,40.5) ; v1(92,49.25) 91.82,49.25 DIMM2.101
  InLayer2 (Signal) w0.1: v1(92,49.25) 91.81,49.06 91.48,49.06 91.37,48.95 91.17,48.95 91.17,48.75 91.29,48.75 91.29,48.55 91.17,48.55 91.17,48.35 91.29,48.35 91.29,48.15 91.17,48.15 91.17,47.95 91.29,47.95 91.29,47.75 91.17,47.75 91.17,47.55 91.29,47.55 91.29,47.18 91.23,47.12 90.43,47.12 arc(90.36,47.15) 90.33,47.23 90.33,48.48 arc(90.24,48.71) 90.01,48.8 arc(89.78,48.71) 89.68,48.48 89.68,47.23 arc(89.66,47.15) 89.58,47.12 88.64,47.12 arc(88.57,47.15) 88.54,47.23 88.54,48.77 arc(88.21,49.09) 87.89,48.77 87.89,47.2 arc(87.79,47.1) 87.69,47.2 87.69,48.88 arc(87.36,49.21) 87.04,48.88 87.04,47.2 arc(86.94,47.1) 86.84,47.2 86.84,48.88 arc(86.51,49.21) 86.19,48.88 86.19,47.23 arc(86.16,47.15) 86.09,47.12 85.91,47.12 85.72,46.93 85.72,41.88 85.37,41.53 85.12,41.53 arc(85.05,41.56) 85.02,41.63 arc(84.69,41.96) 84.37,41.63 84.37,41.37 arc(84.27,41.27) 84.17,41.37 84.17,41.63 arc(83.84,41.96) 83.52,41.63 83.52,41.37 arc(83.42,41.27) 83.32,41.37 83.32,41.63 arc(82.99,41.96) 82.67,41.63 82.67,41.37 arc(82.57,41.27) 82.47,41.37 82.47,41.63 arc(82.14,41.96) 81.82,41.63 81.82,41.37 arc(81.72,41.27) 81.62,41.37 81.62,41.63 arc(81.29,41.96) 80.97,41.63 80.97,41.37 arc(80.87,41.27) 80.77,41.37 80.77,41.63 arc(80.44,41.96) 80.12,41.63 80.12,41.37 arc(80.02,41.27) 79.92,41.37 79.92,41.63 arc(79.59,41.96) 79.27,41.63 79.27,41.37 arc(79.17,41.27) 79.07,41.37 79.07,41.63 arc(78.74,41.96) 78.42,41.63 78.42,41.37 arc(78.32,41.27) 78.22,41.37 78.22,41.63 arc(77.89,41.96) 77.57,41.63 77.57,41.37 arc(77.47,41.27) 77.37,41.37 77.37,41.63 arc(77.04,41.96) 76.72,41.63 76.72,41.37 arc(76.62,41.27) 76.52,41.37 76.52,41.63 arc(76.19,41.96) 75.87,41.63 arc(75.84,41.56) 75.77,41.53 75.61,41.53 75.19,41.95 62.84,41.95 62.29,41.39 62.29,40.5 v1(61.9,40.5)
DRAM2_CK1_N: length 63.4
  Top Layer w0.1: U1.B25 v1(63.9,39.5) ; v1(96.4,48.35) DIMM2.104
  InLayer2 (Signal) w0.1: v1(63.9,39.5) 63.9,39.79 64.19,39.79 64.49,40.09 64.59,39.99 64.73,40.13 64.63,40.23 64.76,40.35 65.69,41.28 74.35,41.28 75.34,40.3 75.98,40.3 arc(76.06,40.27) 76.08,40.2 76.08,39.97 arc(76.41,39.65) 76.73,39.97 76.73,40.31 arc(76.83,40.41) 76.93,40.31 76.93,39.97 arc(77.26,39.65) 77.58,39.97 77.58,40.31 arc(77.68,40.41) 77.78,40.31 77.78,39.97 arc(78.11,39.65) 78.43,39.97 78.43,40.31 arc(78.53,40.41) 78.63,40.31 78.63,39.97 arc(78.96,39.65) 79.28,39.97 79.28,40.31 arc(79.38,40.41) 79.48,40.31 79.48,39.97 arc(79.81,39.65) 80.13,39.97 80.13,40.31 arc(80.23,40.41) 80.33,40.31 80.33,39.97 arc(80.66,39.65) 80.98,39.97 80.98,40.31 arc(81.08,40.41) 81.18,40.31 81.18,39.97 arc(81.51,39.65) 81.83,39.97 81.83,40.31 arc(81.93,40.41) 82.03,40.31 82.03,39.97 arc(82.36,39.65) 82.68,39.97 82.68,40.31 arc(82.78,40.41) 82.88,40.31 82.88,39.97 arc(83.21,39.65) 83.53,39.97 83.53,40.31 arc(83.63,40.41) 83.73,40.31 83.73,39.97 arc(84.06,39.65) 84.38,39.97 84.38,40.2 arc(84.41,40.27) 84.48,40.3 85.21,40.3 87.1,42.19 87.1,43.1 90.14,46.14 92.64,46.14 arc(92.87,46.23) 92.97,46.46 92.97,47.42 arc(93,47.49) 93.07,47.52 arc(93.14,47.49) 93.17,47.42 93.17,44.97 arc(93.26,44.74) 93.49,44.65 arc(93.72,44.74) 93.82,44.97 93.82,47.42 arc(93.85,47.49) 93.92,47.52 arc(93.99,47.49) 94.02,47.42 94.02,44.98 arc(94.11,44.75) 94.34,44.66 arc(94.57,44.75) 94.67,44.98 94.67,46.04 arc(94.7,46.11) 94.77,46.14 95.72,46.14 95.91,46.33 95.91,48.48 95.97,48.54 96.21,48.54 v1(96.4,48.35)
DRAM2_CK1_P: length 63.8
  Top Layer w0.1: v1(96.4,48.95) DIMM2.102 ; U1.B24 63.64,40.24 63.84,40.24 v1(63.9,40.3)
  InLayer2 (Signal) w0.1: v1(63.9,40.3) 63.9,40.01 64.1,40.01 65.6,41.51 74.44,41.51 75.43,40.52 75.98,40.52 arc(76.21,40.43) 76.31,40.2 76.31,39.97 arc(76.41,39.87) 76.51,39.97 76.51,40.31 arc(76.83,40.64) 77.16,40.31 77.16,39.97 arc(77.26,39.87) 77.36,39.97 77.36,40.31 arc(77.68,40.64) 78.01,40.31 78.01,39.97 arc(78.11,39.87) 78.21,39.97 78.21,40.31 arc(78.53,40.64) 78.86,40.31 78.86,39.97 arc(78.96,39.87) 79.06,39.97 79.06,40.31 arc(79.38,40.64) 79.71,40.31 79.71,39.97 arc(79.81,39.87) 79.91,39.97 79.91,40.31 arc(80.23,40.64) 80.56,40.31 80.56,39.97 arc(80.66,39.87) 80.76,39.97 80.76,40.31 arc(81.08,40.64) 81.41,40.31 81.41,39.97 arc(81.51,39.87) 81.61,39.97 81.61,40.31 arc(81.93,40.64) 82.26,40.31 82.26,39.97 arc(82.36,39.87) 82.46,39.97 82.46,40.31 arc(82.78,40.64) 83.11,40.31 83.11,39.97 arc(83.21,39.87) 83.31,39.97 83.31,40.31 arc(83.63,40.64) 83.96,40.31 83.96,39.97 arc(84.06,39.87) 84.16,39.97 84.16,40.2 arc(84.26,40.43) 84.48,40.52 85.12,40.52 86.88,42.28 86.88,43.19 90.04,46.36 92.64,46.36 arc(92.71,46.39) 92.74,46.46 92.74,47.42 arc(92.84,47.65) 93.07,47.75 arc(93.3,47.65) 93.39,47.42 93.39,44.97 arc(93.42,44.9) 93.49,44.87 arc(93.56,44.9) 93.59,44.97 93.59,47.42 arc(93.69,47.65) 93.92,47.75 arc(94.15,47.65) 94.24,47.42 94.24,44.98 arc(94.27,44.91) 94.34,44.88 arc(94.41,44.91) 94.44,44.98 94.44,46.04 arc(94.54,46.27) 94.77,46.36 95.63,46.36 95.68,46.42 95.68,47.07 95.56,47.07 95.56,47.27 95.68,47.27 95.68,47.47 95.56,47.47 95.56,47.67 95.68,47.67 95.68,47.87 95.56,47.87 95.56,48.07 95.68,48.07 95.68,48.27 95.64,48.27 95.64,48.47 95.68,48.47 95.68,48.57 95.88,48.76 96.21,48.76 v1(96.4,48.95)
